# Allegro board RK_EVB7_RK3588_LP4XD200P232SD8_V11_20230111YWQ.brd
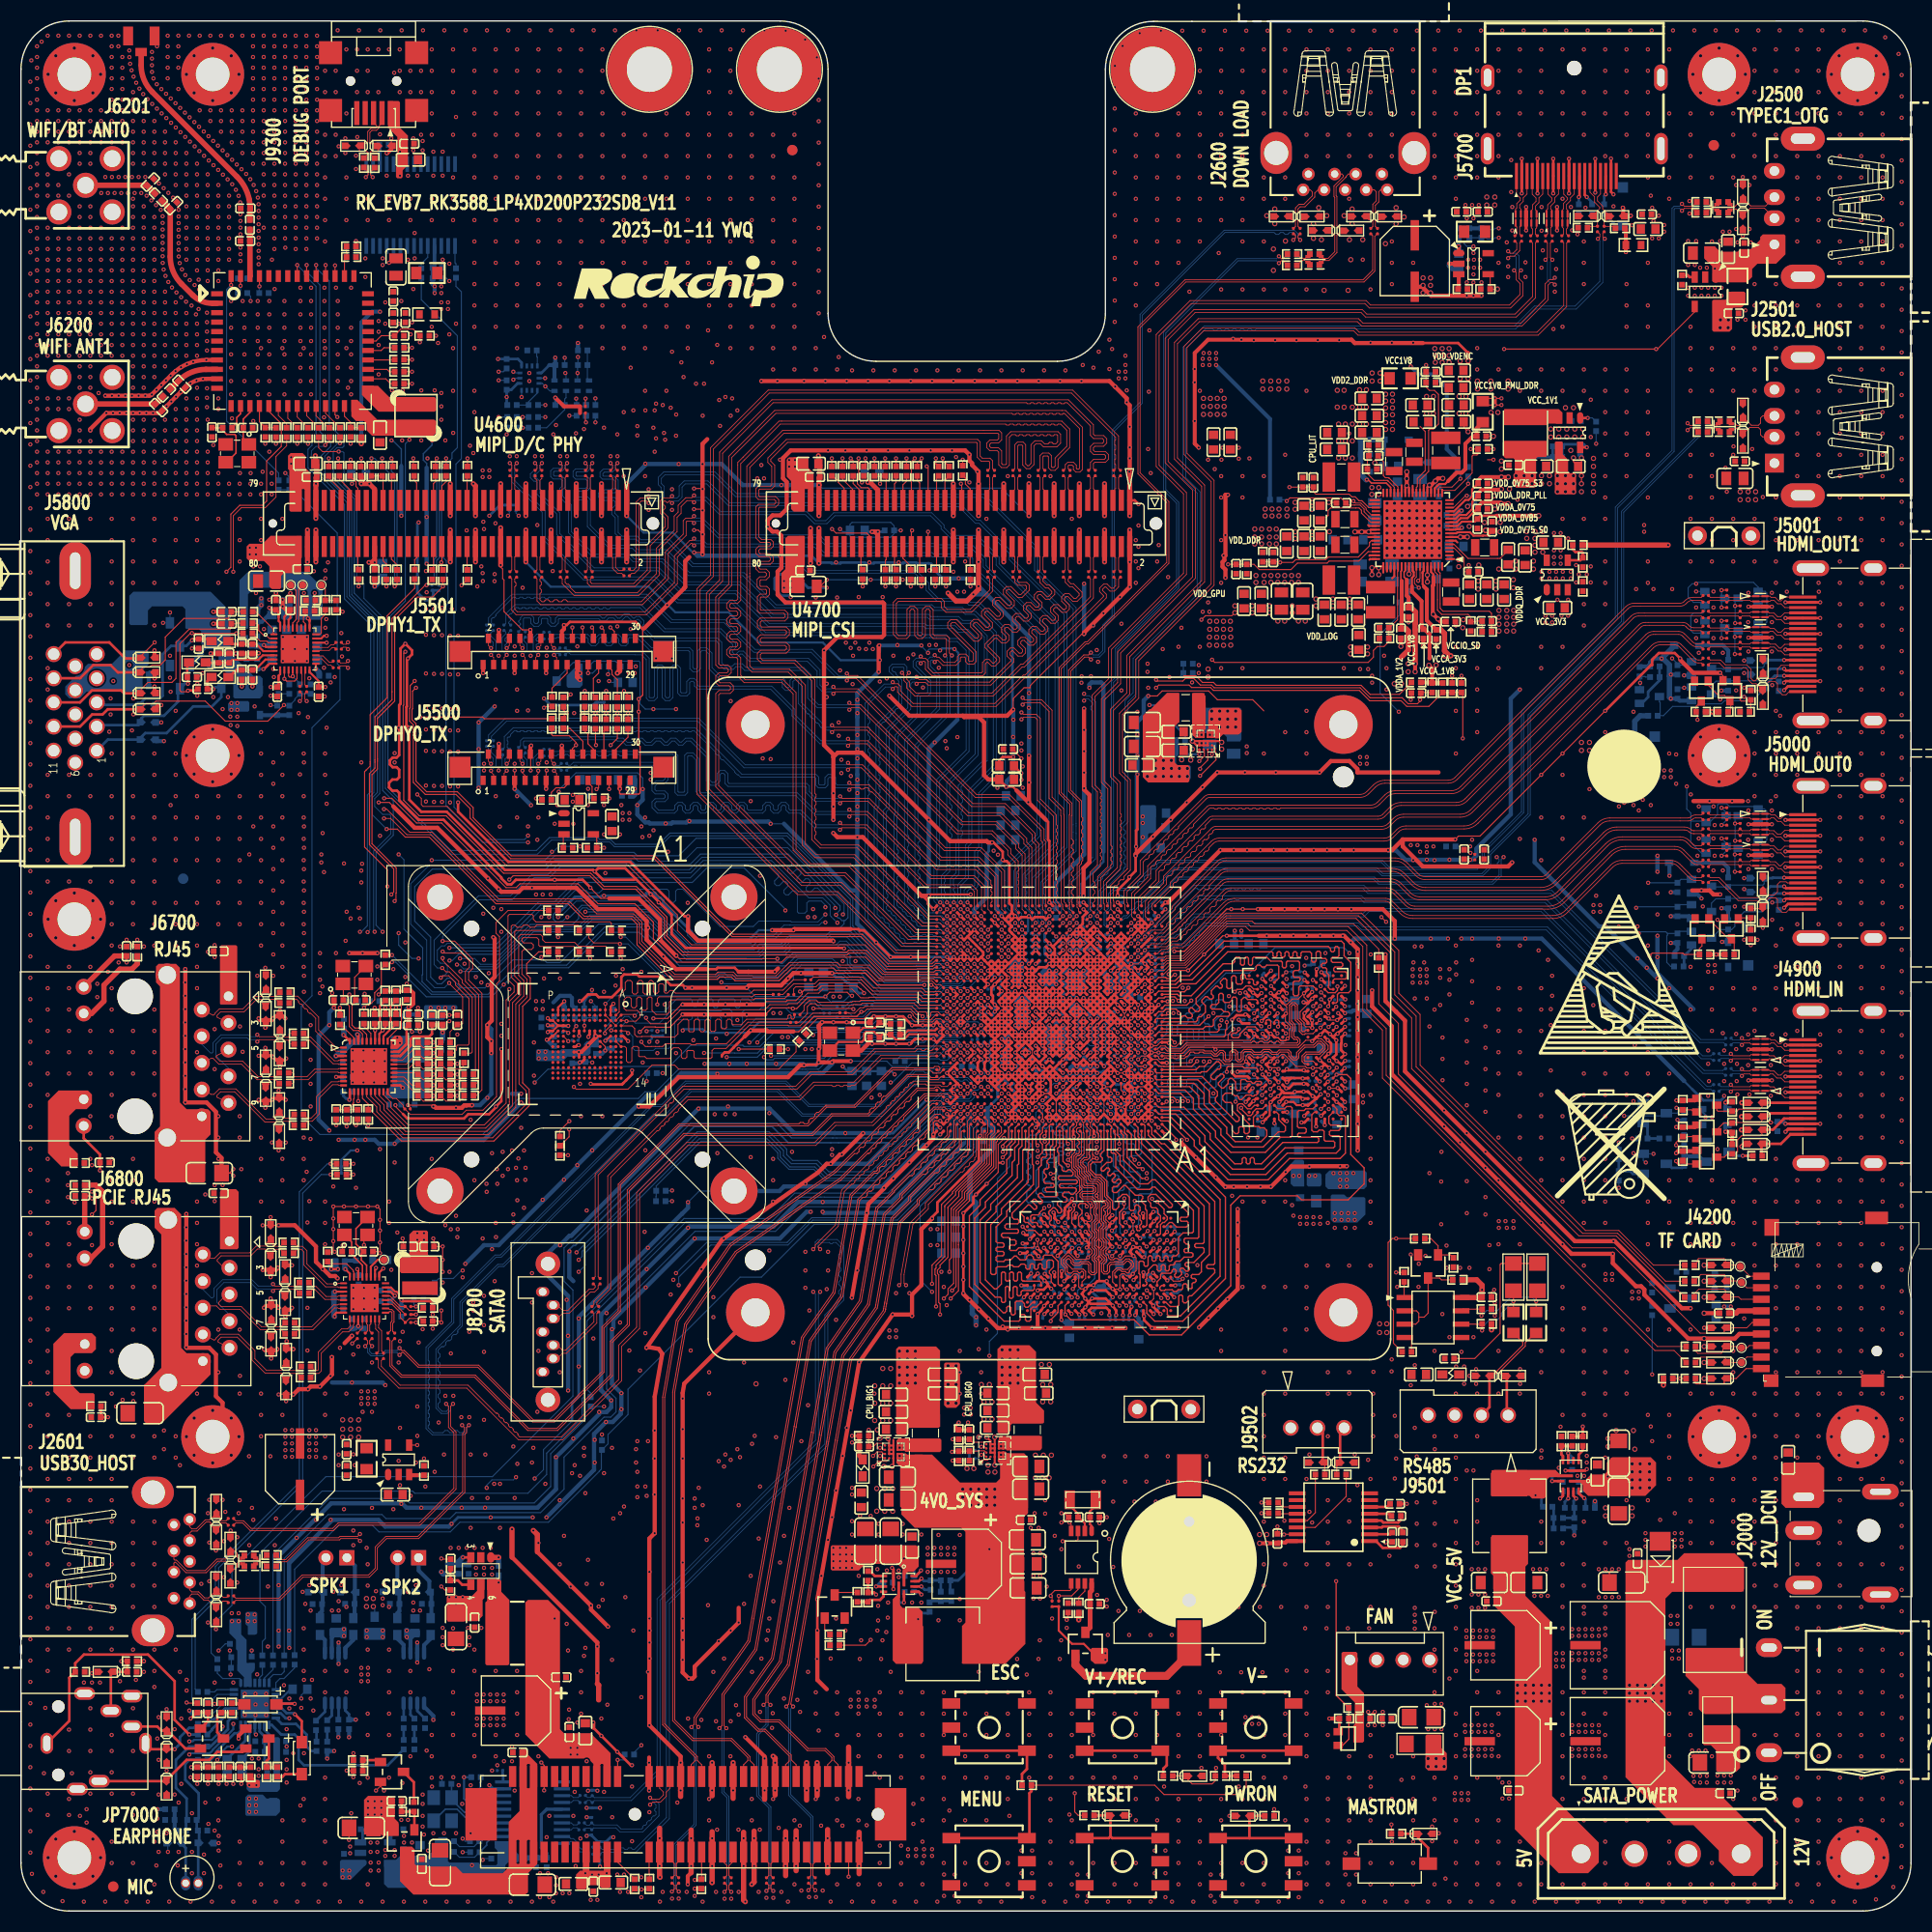
[diagram p0: board, top side]
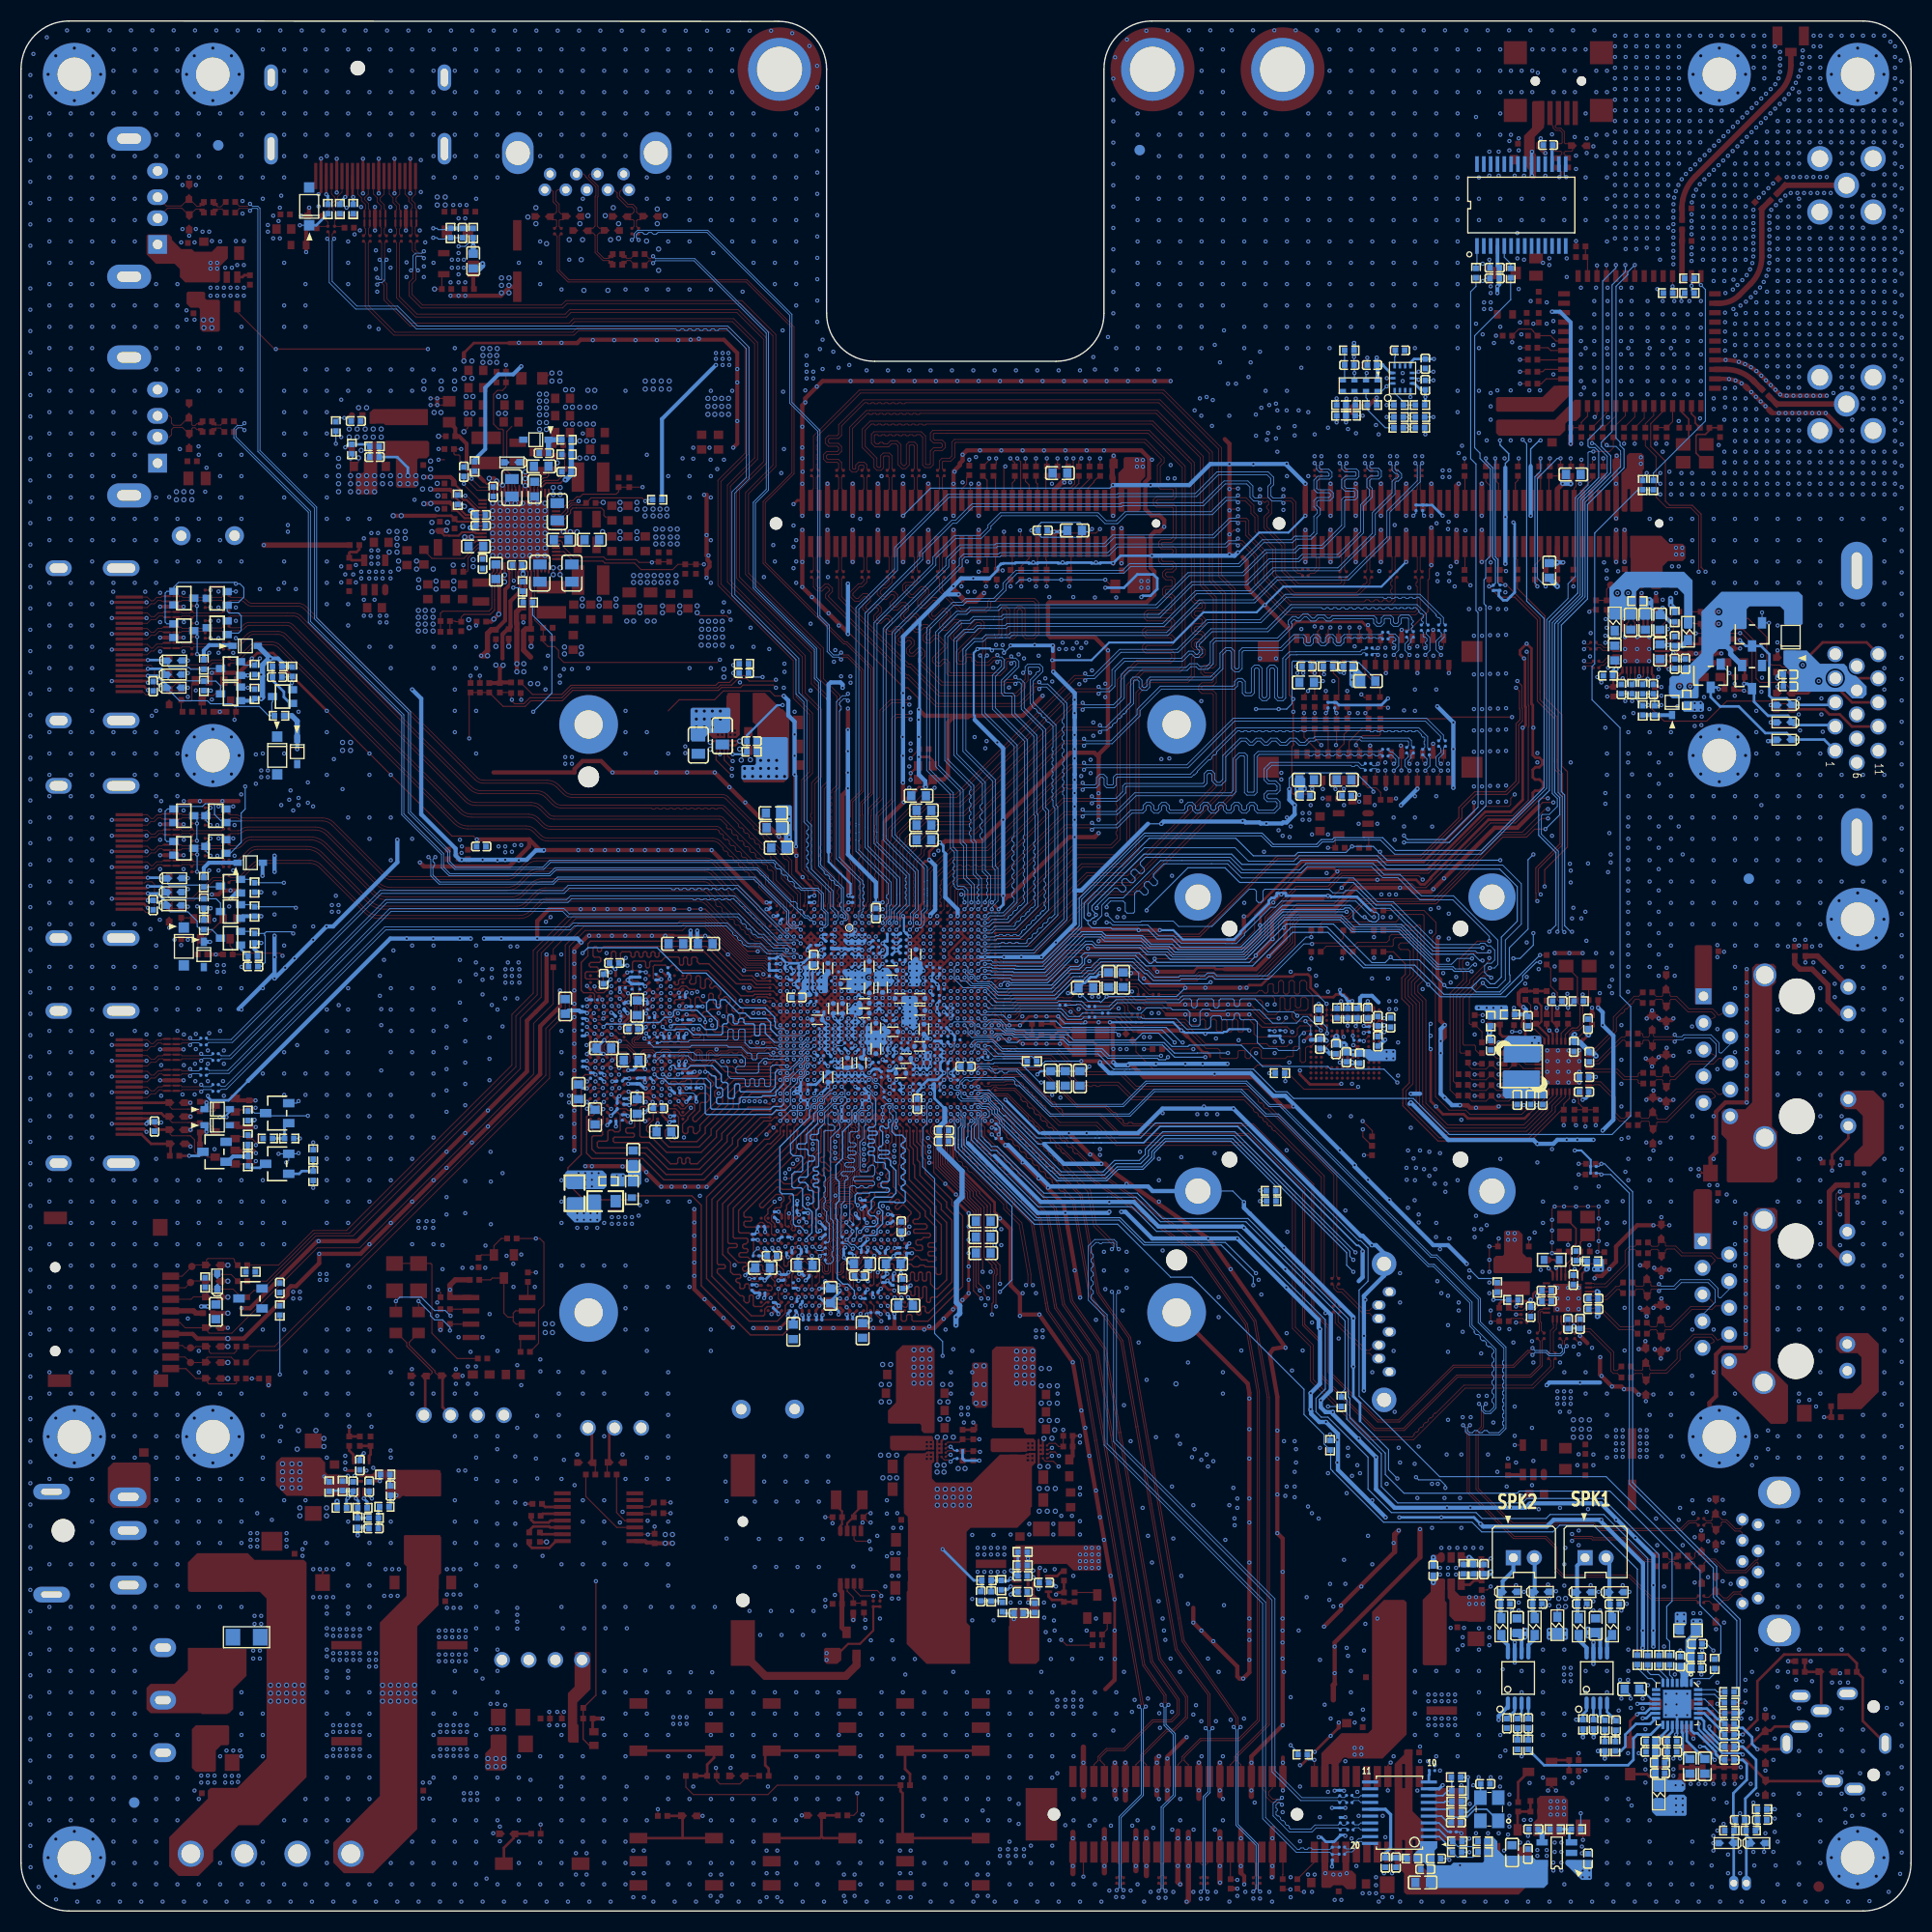
[diagram p1: board, bottom side, seen from below]

Outline 180 x 180 mm; copper layers: TOP, L2-GND1, L3-POWER1, L4-GND2, L5-POWER2, L6-S2, L7-GND3, BOTTOM. Coordinates in mm from the lower left corner of the outline.
Outline path: 0,175.43 arc(1.34,178.66) 4.57,180 72.29,180 arc(75.52,178.66) 76.86,175.43 76.86,152.16 arc(78.2,148.93) 81.43,147.59 98.7,147.59 arc(101.94,148.93) 103.28,152.16 103.28,175.39 arc(104.62,178.63) 107.85,179.96 111.51,179.96 175.43,180 arc(178.66,178.66) 180,175.43 180,4.57 arc(178.66,1.34) 175.43,0 4.57,0 arc(1.34,1.34) 0,4.57 0,175.43

## Design rules (mm)
net group CLK0: nets N20227289 N20227291
net group DDR_CH0_CA_A: nets DDR_CH0_LP4/4X_CKE0/LP5_CS0_A DDR_CH0_LP4/4X_CKE1/LP5_CS1_A
net group DDR_CH0_CA_B: nets DDR_CH0_LP4/4X_CKE0/LP5_CS0_B DDR_CH0_LP4/4X_CKE1/LP5_CS1_B
net group DDR_CH1_LP4/4X_CKE0/LP5_CS0_C: nets DDR_CH1_LP4/4X_CKE0/LP5_CS0_C DDR_CH1_LP4/4X_CKE0_C
net group DDR_CH1_LP4/4X_CKE0/LP5_CS0_D: nets DDR_CH1_LP4/4X_CKE0/LP5_CS0_D DDR_CH1_LP4/4X_CKE0_D
net group DDR_CH1_LP4/4X_CKE1/LP5_CS1_C: nets DDR_CH1_LP4/4X_CKE1/LP5_CS1_C DDR_CH1_LP4/4X_CKE1_C
net group DDR_CH1_LP4/4X_CKE1/LP5_CS1_D: nets DDR_CH1_LP4/4X_CKE1/LP5_CS1_D DDR_CH1_LP4/4X_CKE1_D
net group DP0_AUX: nets DP0_AUXN DP0_AUXP
net group DP0_TX2: nets DP0_TX2N DP0_TX2P
net group DP0_TX3: nets DP0_TX3N DP0_TX3P
net group DP1_AUXN: nets DP1_AUXN DP_TX_AUXN
net group DP1_AUXP: nets DP1_AUXP DP_TX_AUXP
net group DP1_TX0N: nets DP1_TX0N DP1_TX3N_PORT
net group DP1_TX0N_PORT: nets DP1_TX0N_PORT DP1_TX3N
net group DP1_TX0P: nets DP1_TX0P DP1_TX3P_PORT
net group DP1_TX0P_PORT: nets DP1_TX0P_PORT DP1_TX3P
net group DP1_TX1N: nets DP1_TX1N DP1_TX2N_PORT
net group DP1_TX1N_PORT: nets DP1_TX1N_PORT DP1_TX2N
net group DP1_TX1P: nets DP1_TX1P DP1_TX2P_PORT
net group DP1_TX1P_PORT: nets DP1_TX1P_PORT DP1_TX2P
net group DP3: nets DEBUG_DM DEBUG_DP
net group DP21: nets U_DM U_DP
net group DP24: nets PCIE30_PORT0_REFCLKN_IN PCIE30_PORT0_REFCLKP_IN
net group DP_DP_AUX: nets DP_AUXN DP_AUXP
net group DP_RX0: nets DP_RX0N DP_RX0P
net group DP_RX1: nets DP_RX1N DP_RX1P
net group DPHY0_RX_CLKN: nets DPHY0_RX_CLKN MIPI_DPHY0_RX_CLKN
net group DPHY0_RX_CLKP: nets DPHY0_RX_CLKP MIPI_DPHY0_RX_CLKP
net group DPHY0_RX_D0N: nets DPHY0_RX_D0N MIPI_DPHY0_RX_D0N
net group DPHY0_RX_D0P: nets DPHY0_RX_D0P MIPI_DPHY0_RX_D0P
net group DPHY0_RX_D1N: nets DPHY0_RX_D1N MIPI_DPHY0_RX_D1N
net group DPHY0_RX_D1P: nets DPHY0_RX_D1P MIPI_DPHY0_RX_D1P
net group DPHY0_RX_D2N: nets DPHY0_RX_D2N MIPI_DPHY0_RX_D2N
net group DPHY0_RX_D2P: nets DPHY0_RX_D2P MIPI_DPHY0_RX_D2P
net group DPHY0_RX_D3N: nets DPHY0_RX_D3N MIPI_DPHY0_RX_D3N
net group DPHY0_RX_D3P: nets DPHY0_RX_D3P MIPI_DPHY0_RX_D3P
net group DPHY0_TX_CLKN: nets DPHY0_TX_CLKN MIPI_DPHY0_TX_CLKN
net group DPHY0_TX_CLKP: nets DPHY0_TX_CLKP MIPI_DPHY0_TX_CLKP
net group DPHY0_TX_D0N: nets DPHY0_TX_D0N MIPI_DPHY0_TX_D0N
net group DPHY0_TX_D0P: nets DPHY0_TX_D0P MIPI_DPHY0_TX_D0P
net group DPHY0_TX_D1N: nets DPHY0_TX_D1N MIPI_DPHY0_TX_D1N
net group DPHY0_TX_D1P: nets DPHY0_TX_D1P MIPI_DPHY0_TX_D1P
net group DPHY0_TX_D2N: nets DPHY0_TX_D2N MIPI_DPHY0_TX_D2N
net group DPHY0_TX_D2P: nets DPHY0_TX_D2P MIPI_DPHY0_TX_D2P
net group DPHY0_TX_D3N: nets DPHY0_TX_D3N MIPI_DPHY0_TX_D3N
net group DPHY0_TX_D3P: nets DPHY0_TX_D3P MIPI_DPHY0_TX_D3P
net group DPHY1_RX_CLKN: nets DPHY1_RX_CLKN MIPI_DPHY1_RX_CLKN
net group DPHY1_RX_CLKP: nets DPHY1_RX_CLKP MIPI_DPHY1_RX_CLKP
net group DPHY1_RX_D0N: nets DPHY1_RX_D0N MIPI_DPHY1_RX_D0N
net group DPHY1_RX_D0P: nets DPHY1_RX_D0P MIPI_DPHY1_RX_D0P
net group DPHY1_RX_D1N: nets DPHY1_RX_D1N MIPI_DPHY1_RX_D1N
net group DPHY1_RX_D1P: nets DPHY1_RX_D1P MIPI_DPHY1_RX_D1P
net group DPHY1_RX_D2N: nets DPHY1_RX_D2N MIPI_DPHY1_RX_D2N
net group DPHY1_RX_D2P: nets DPHY1_RX_D2P MIPI_DPHY1_RX_D2P
net group DPHY1_RX_D3N: nets DPHY1_RX_D3N MIPI_DPHY1_RX_D3N
net group DPHY1_RX_D3P: nets DPHY1_RX_D3P MIPI_DPHY1_RX_D3P
net group DPHY1_TX_CLKN: nets DPHY1_TX_CLKN MIPI_DPHY1_TX_CLKN
net group DPHY1_TX_CLKP: nets DPHY1_TX_CLKP MIPI_DPHY1_TX_CLKP
net group DPHY1_TX_D0N: nets DPHY1_TX_D0N MIPI_DPHY1_TX_D0N
net group DPHY1_TX_D0P: nets DPHY1_TX_D0P MIPI_DPHY1_TX_D0P
net group DPHY1_TX_D1N: nets DPHY1_TX_D1N MIPI_DPHY1_TX_D1N
net group DPHY1_TX_D1P: nets DPHY1_TX_D1P MIPI_DPHY1_TX_D1P
net group DPHY1_TX_D2N: nets DPHY1_TX_D2N MIPI_DPHY1_TX_D2N
net group DPHY1_TX_D2P: nets DPHY1_TX_D2P MIPI_DPHY1_TX_D2P
net group DPHY1_TX_D3N: nets DPHY1_TX_D3N MIPI_DPHY1_TX_D3N
net group DPHY1_TX_D3P: nets DPHY1_TX_D3P MIPI_DPHY1_TX_D3P
net group EMMC_CLKOUT: nets EMMC_CLKOUT N20178852
net group EMMC_CMD: nets EMMC_CMD EMMC_CMD/FSPI_CLK
net group EMMC_D0: nets EMMC_D0 EMMC_D0/FSPI_D0
net group EMMC_D1: nets EMMC_D1 EMMC_D1/FSPI_D1
net group EMMC_D2: nets EMMC_D2 EMMC_D2/FSPI_D2
net group EMMC_D3: nets EMMC_D3 EMMC_D3/FSPI_D3
net group EMMC_D4: nets EMMC_D4 N20178858
net group EMMC_D5: nets EMMC_D5 N20178860
net group EMMC_D6: nets EMMC_D6 EMMC_D6/FSPI_CS0
net group EMMC_D7: nets EMMC_D7 N20178864
net group EMMC_DATA_STROBE: nets EMMC_DATA_STROBE N24452184
net group EMMC_RSTN: nets EMMC_RSTN N20178868
net group GMAC1_MCLKINOUT: nets GMAC1_MCLKINOUT MAC1_MCLKINOUT
net group GMAC1_MDIO: nets GMAC1_MDIO MAC1_MDIO
net group GMAC1_RXCLK: nets GMAC1_RXCLK PHY0_RXCLK/PHYAD1
net group GMAC1_RXD0: nets GMAC1_RXD0 PHY0_RXD0/RXDLY
net group GMAC1_RXD1: nets GMAC1_RXD1 PHY0_RXD1/TXDLY
net group GMAC1_RXD2: nets GMAC1_RXD2 PHY0_RXD2/PLLOFF
net group GMAC1_RXD3: nets GMAC1_RXD3 PHY0_RXD3/PHYAD0
net group GMAC1_RXDV_CRS: nets GMAC1_RXDV_CRS PHY0_RXDV/PHYAD2
net group GMAC1_TXCLK: nets GMAC1_TXCLK MAC1_TXCLK
net group GMAC1_TXD0: nets GMAC1_TXD0 MAC1_TXD0
net group GMAC1_TXD1: nets GMAC1_TXD1 MAC1_TXD1
net group GMAC1_TXD2: nets GMAC1_TXD2 MAC1_TXD2
net group GMAC1_TXD3: nets GMAC1_TXD3 MAC1_TXD3
net group GMAC1_TXEN: nets GMAC1_TXEN MAC1_TXEN
net group HDMI0_EARC+: nets HDMI0_EARC+ HDMI0_TX_SBDP/EDP0_TX_AUXP
net group HDMI0_EARC-: nets HDMI0_EARC- HDMI0_TX_SBDN/EDP0_TX_AUXN
net group HDMI0_TX0N_PORT: nets HDMI0_TX0N_PORT HDMI0_TX0N_PORT/EDP0_TX_D0N
net group HDMI0_TX0P_PORT: nets HDMI0_TX0P_PORT HDMI0_TX0P_PORT/EDP0_TX_D0P
net group HDMI0_TX1N_PORT: nets HDMI0_TX1N_PORT HDMI0_TX1N_PORT/EDP0_TX_D1N
net group HDMI0_TX1P_PORT: nets HDMI0_TX1P_PORT HDMI0_TX1P_PORT/EDP0_TX_D1P
net group HDMI0_TX2N_PORT: nets HDMI0_TX2N_PORT HDMI0_TX2N_PORT/EDP0_TX_D2N
net group HDMI0_TX2P_PORT: nets HDMI0_TX2P_PORT HDMI0_TX2P_PORT/EDP0_TX_D2P
net group HDMI0_TX3N_PORT: nets HDMI0_TX3N_PORT HDMI0_TX3N_PORT/EDP0_TX_D3N
net group HDMI0_TX3P_PORT: nets HDMI0_TX3P_PORT HDMI0_TX3P_PORT/EDP0_TX_D3P
net group HDMI1_EARC+: nets HDMI1_EARC+ HDMI1_TX_SBDP/EDP1_TX_AUXP
net group HDMI1_EARC-: nets HDMI1_EARC- HDMI1_TX_SBDN/EDP1_TX_AUXN
net group HDMI1_TX0N_PORT: nets HDMI1_TX0N_PORT HDMI1_TX0N_PORT/EDP1_TX_D0N
net group HDMI1_TX0P_PORT: nets HDMI1_TX0P_PORT HDMI1_TX0P_PORT/EDP1_TX_D0P
net group HDMI1_TX1N_PORT: nets HDMI1_TX1N_PORT HDMI1_TX1N_PORT/EDP1_TX_D1N
net group HDMI1_TX1P_PORT: nets HDMI1_TX1P_PORT HDMI1_TX1P_PORT/EDP1_TX_D1P
net group HDMI1_TX2N_PORT: nets HDMI1_TX2N_PORT HDMI1_TX2N_PORT/EDP1_TX_D2N
net group HDMI1_TX2P_PORT: nets HDMI1_TX2P_PORT HDMI1_TX2P_PORT/EDP1_TX_D2P
net group HDMI1_TX3N_PORT: nets HDMI1_TX3N_PORT HDMI1_TX3N_PORT/EDP1_TX_D3N
net group HDMI1_TX3P_PORT: nets HDMI1_TX3P_PORT HDMI1_TX3P_PORT/EDP1_TX_D3P
net group HDMI_RX_CLKN: nets HDMI_RX_CLKN HDMI_RX_CLKN_PORT
net group HDMI_RX_CLKP: nets HDMI_RX_CLKP HDMI_RX_CLKP_PORT
net group HDMI_RX_D0N: nets HDMI_RX_D0N HDMI_RX_D0N_PORT
net group HDMI_RX_D0P: nets HDMI_RX_D0P HDMI_RX_D0P_PORT
net group HDMI_RX_D1N: nets HDMI_RX_D1N HDMI_RX_D1N_PORT
net group HDMI_RX_D1P: nets HDMI_RX_D1P HDMI_RX_D1P_PORT
net group HDMI_RX_D2N: nets HDMI_RX_D2N HDMI_RX_D2N_PORT
net group HDMI_RX_D2P: nets HDMI_RX_D2P HDMI_RX_D2P_PORT
net group MIPI_CSI0_CLK0N: nets MIPI_CSI0_CLK0N MIPI_CSI0_RX_CLK0N
net group MIPI_CSI0_CLK0P: nets MIPI_CSI0_CLK0P MIPI_CSI0_RX_CLK0P
net group MIPI_CSI0_CLK1N: nets MIPI_CSI0_CLK1N MIPI_CSI0_RX_CLK1N
net group MIPI_CSI0_CLK1P: nets MIPI_CSI0_CLK1P MIPI_CSI0_RX_CLK1P
net group MIPI_CSI0_D0N: nets MIPI_CSI0_D0N MIPI_CSI0_RX_D0N
net group MIPI_CSI0_D0P: nets MIPI_CSI0_D0P MIPI_CSI0_RX_D0P
net group MIPI_CSI0_D1N: nets MIPI_CSI0_D1N MIPI_CSI0_RX_D1N
net group MIPI_CSI0_D1P: nets MIPI_CSI0_D1P MIPI_CSI0_RX_D1P
net group MIPI_CSI0_D2N: nets MIPI_CSI0_D2N MIPI_CSI0_RX_D2N
net group MIPI_CSI0_D2P: nets MIPI_CSI0_D2P MIPI_CSI0_RX_D2P
net group MIPI_CSI0_D3N: nets MIPI_CSI0_D3N MIPI_CSI0_RX_D3N
net group MIPI_CSI0_D3P: nets MIPI_CSI0_D3P MIPI_CSI0_RX_D3P
net group MIPI_CSI1_CLK0N: nets MIPI_CSI1_CLK0N MIPI_CSI1_RX_CLK0N
net group MIPI_CSI1_CLK0P: nets MIPI_CSI1_CLK0P MIPI_CSI1_RX_CLK0P
net group MIPI_CSI1_CLK1N: nets MIPI_CSI1_CLK1N MIPI_CSI1_RX_CLK1N
net group MIPI_CSI1_CLK1P: nets MIPI_CSI1_CLK1P MIPI_CSI1_RX_CLK1P
net group MIPI_CSI1_D0N: nets MIPI_CSI1_D0N MIPI_CSI1_RX_D0N
net group MIPI_CSI1_D0P: nets MIPI_CSI1_D0P MIPI_CSI1_RX_D0P
net group MIPI_CSI1_D1N: nets MIPI_CSI1_D1N MIPI_CSI1_RX_D1N
net group MIPI_CSI1_D1P: nets MIPI_CSI1_D1P MIPI_CSI1_RX_D1P
net group MIPI_CSI1_D2N: nets MIPI_CSI1_D2N MIPI_CSI1_RX_D2N
net group MIPI_CSI1_D2P: nets MIPI_CSI1_D2P MIPI_CSI1_RX_D2P
net group MIPI_CSI1_D3N: nets MIPI_CSI1_D3N MIPI_CSI1_RX_D3N
net group MIPI_CSI1_D3P: nets MIPI_CSI1_D3P MIPI_CSI1_RX_D3P
net group PCIE20_1_REFCLKN: nets PCIE20_1_REFCLKN REFCLKN_100M_RJ45
net group PCIE20_1_REFCLKP: nets PCIE20_1_REFCLKP REFCLKP_100M_RJ45
net group PCIE20_1_RXN/SATA30_1_RXN: nets PCIE20_1_RXN/SATA30_1_RXN PCIE_2_RXN
net group PCIE20_1_RXP/SATA30_1_RXP: nets PCIE20_1_RXP/SATA30_1_RXP PCIE_2_RXP
net group PCIE20_1_TXN/SATA30_1_TXN: nets PCIE20_1_TXN/SATA30_1_TXN PCIE20_2_TXN
net group PCIE20_1_TXP/SATA30_1_TXP: nets PCIE20_1_TXP/SATA30_1_TXP PCIE20_2_TXP
net group PCIE30_PORT0_RX0: nets PCIE30_PORT0_RX0N PCIE30_PORT0_RX0P
net group PCIE30_PORT0_RX1: nets PCIE30_PORT0_RX1N PCIE30_PORT0_RX1P
net group PCIE30_PORT0_TX0N: nets PCIE30_PORT0_TX0N PETN0
net group PCIE30_PORT0_TX0P: nets PCIE30_PORT0_TX0P PETP0
net group PCIE30_PORT0_TX1N: nets PCIE30_PORT0_TX1N PETN1
net group PCIE30_PORT0_TX1P: nets PCIE30_PORT0_TX1P PETP1
net group PCIE30_PORT1_REFCLKN_IN: nets N18262695 PCIE30_PORT1_REFCLKN_IN
net group PCIE30_PORT1_REFCLKP_IN: nets N18262694 PCIE30_PORT1_REFCLKP_IN
net group PCIE30_PORT1_RX2: nets PCIE30_PORT1_RX2N PCIE30_PORT1_RX2P
net group PCIE30_PORT1_RX3: nets PCIE30_PORT1_RX3N PCIE30_PORT1_RX3P
net group PCIE30_PORT1_TX2N: nets N17854639 PCIE30_PORT1_TX2N
net group PCIE30_PORT1_TX2P: nets N17854631 PCIE30_PORT1_TX2P
net group PCIE30_PORT1_TX3N: nets N17854696 PCIE30_PORT1_TX3N
net group PCIE30_PORT1_TX3P: nets N17854686 PCIE30_PORT1_TX3P
net group PCIE30_REFCLKN_SLOT: nets N20227385 PCIE30_REFCLKN_SLOT
net group PCIE30_REFCLKP_SLOT: nets N20227382 PCIE30_REFCLKP_SLOT
net group PCIE_PWREN_H: nets N20527992 PCIE_PWREN_H
net group PHY0_MDI0+: nets PHY0_MDI0+ RJ45_1_MDI0+
net group PHY0_MDI0-: nets PHY0_MDI0- RJ45_1_MDI0-
net group PHY0_MDI1+: nets PHY0_MDI1+ RJ45_1_MDI1+
net group PHY0_MDI1-: nets PHY0_MDI1- RJ45_1_MDI1-
net group PHY0_MDI2+: nets PHY0_MDI2+ RJ45_1_MDI2+
net group PHY0_MDI2-: nets PHY0_MDI2- RJ45_1_MDI2-
net group PHY0_MDI3+: nets PHY0_MDI3+ RJ45_1_MDI3+
net group PHY0_MDI3-: nets PHY0_MDI3- RJ45_1_MDI3-
net group PHY1_MDI0+: nets PHY1_MDI0+ RJ45_2_MDI0+
net group PHY1_MDI0-: nets PHY1_MDI0- RJ45_2_MDI0-
net group PHY1_MDI1+: nets PHY1_MDI1+ RJ45_2_MDI1+
net group PHY1_MDI1-: nets PHY1_MDI1- RJ45_2_MDI1-
net group PHY1_MDI2+: nets PHY1_MDI2+ RJ45_2_MDI2+
net group PHY1_MDI2-: nets PHY1_MDI2- RJ45_2_MDI2-
net group PHY1_MDI3+: nets PHY1_MDI3+ RJ45_2_MDI3+
net group PHY1_MDI3-: nets PHY1_MDI3- RJ45_2_MDI3-
net group PI6C_OE: nets PI6C_OE VCC3V3_PI6C_05
net group SATA0_RXN: nets SATA0_RXN SATA30_0_RXN
net group SATA0_RXP: nets SATA0_RXP SATA30_0_RXP
net group SATA0_TXN: nets SATA0_TXN SATA30_0_TXN
net group SATA0_TXP: nets SATA0_TXP SATA30_0_TXP
net group SDMMC0_CLK: nets SD_CLK SDMMC0_CLK
net group SDMMC0_CMD: nets SD_CMD SDMMC0_CMD
net group SDMMC0_D0: nets SD_D0 SDMMC0_D0
net group SDMMC0_D1: nets SD_D1 SDMMC0_D1
net group SDMMC0_D2: nets SD_D2 SDMMC0_D2
net group SDMMC0_D3: nets SD_D3 SDMMC0_D3
net group TYPEC0_SSRX1N: nets TYPEC0_SSRX1N USB30_HOST1_SSRXN
net group TYPEC0_SSRX1P: nets TYPEC0_SSRX1P USB30_HOST1_SSRXP
net group TYPEC0_SSTX1N: nets TYPEC0_SSTX1N USB30_HOST1_SSTXN
net group TYPEC0_SSTX1P: nets TYPEC0_SSTX1P USB30_HOST1_SSTXP
net group USB30_2_SSRXN: nets USB30_2_SSRXN USB30_HOST2_SSRXN
net group USB30_2_SSRXP: nets USB30_2_SSRXP USB30_HOST2_SSRXP
net group USB30_2_SSTXN: nets USB30_2_SSTXN USB30_HOST2_SSTXN
net group USB30_2_SSTXP: nets USB30_2_SSTXP USB30_HOST2_SSTXP
net group 50OHM: nets DDR_CH0_LP4/4X_CKE0_A DDR_CH0_LP4/4X_CKE0_B DDR_CH0_LP4/4X_CKE1_A DDR_CH0_LP4/4X_CKE1_B SDIO_CLK_M0_WIFI SDIO_CMD_M0_WIFI SDIO_D0_M0_WIFI SDIO_D1_M0_WIFI SDIO_D2_M0_WIFI SDIO_D3_M0_WIFI WIFI_CLK WIFI_CMD WIFI_D0 WIFI_D1 WIFI_D2 WIFI_D3
net group DDR: nets DDR_RESET
net group HOST0_DM: nets HOST0_DM N20501889 USB20_HOST0_DM
net group HOST0_DP: nets HOST0_DP N20501891 USB20_HOST0_DP
net group HOST1_DM: nets HOST1_DM N19485182 USB20_HOST1_DM
net group HOST1_DP: nets HOST1_DP N19485176 USB20_HOST1_DP
net group I2C: nets I2C3_SCL_M0_MIPI I2C3_SDA_M0_MIPI I2C7_SCL_M0_CODEC I2C7_SDA_M0_CODEC I2C_ADDR_CE I2C_SCL_TP I2C_SDA_TP I2S0_LRCK_TX I2S0_MCLK I2S0_SCLK_TX I2S0_SDI0 I2S0_SDO0
net group OTG1_DM: nets N20530963 OTG1_DM TYPEC1_OTG_DM
net group OTG1_DP: nets N20530957 OTG1_DP TYPEC1_OTG_DP
net group TYPEC0_OTG_DM: nets N19100594 TYPEC0_OTG_DM USB30_OTG1_DM
net group TYPEC0_OTG_DP: nets N19100602 TYPEC0_OTG_DP USB30_OTG1_DP

## Placement (name value [footprint] x y rotation side)
ANT6200  -  [ANT_JACK]  12.75 177.76 90 top
C240  100nF  [C0402]  162.33 11.22 0 top
C1000  22uF  [C0603]  108.29 103.16 0 bottom
C1001  100nF  [C0201]  100.87 89.63 90 bottom
C1002  100nF  [C0201]  100.22 89.63 90 bottom
C1003  22uF  [C0603]  108.36 104.56 0 bottom
C1004  10uF  [C0402_BGA]  99.21 89.97 90 bottom
C1005  10uF  [C0402_BGA]  99.21 87.9 270 bottom
C1006  1uF  [C0201]  100.22 87.53 270 bottom
C1007  4.7uF  [C0402_BGA]  101.46 88.31 0 bottom
C1010  100nF  [C0201]  96.93 81.12 270 bottom
C1013  1uF  [C0201]  97.37 82.72 180 bottom
C1014  1uF  [C0201]  99.82 82.73 0 bottom
C1015  4.7uF  [C0402_BGA]  96.96 83.73 180 bottom
C1016  10uF  [C0402_BGA]  98.58 84.08 90 bottom
C1017  10uF  [C0402_BGA]  98.58 82.12 270 bottom
C1018  22uF  [C0603]  88.36 64.18 0 bottom
C1019  22uF  [C0603]  88.36 65.7 0 bottom
C1020  1uF  [C0201]  101.88 89.45 0 bottom
C1022  100nF  [C0201]  99.82 83.38 0 bottom
C1023  1uF  [C0201]  97.22 82.07 0 bottom
C1024  100nF  [C0201]  95.02 79.88 270 bottom
C1025  100nF  [C0201]  94.37 79.88 270 bottom
C1027  1uF  [C0201]  93.72 79.88 270 bottom
C1028  1uF  [C0201]  94.12 81.43 0 bottom
C1029  4.7uF  [C0402_BGA]  94.01 83.99 90 bottom
C1030  10uF  [C0402_BGA]  95.73 81.19 0 bottom
C1031  10uF  [C0402_BGA]  94.42 82.34 0 bottom
C1032  22uF  [C0603]  81.94 79.29 270 bottom
C1033  22uF  [C0603]  80.54 79.29 270 bottom
C1034  22uF  [C0603]  93.87 107.76 180 top
C1035  22uF  [C0603]  93.87 109.06 180 top
C1036  10uF  [C0402_BGA]  97.05 89.58 180 bottom
C1037  10uF  [C0402_BGA]  96.2 79.8 180 bottom
C1038  4.7uF  [C0402_BGA]  97.94 87.96 270 bottom
C1039  1uF  [C0201]  98.27 89.63 90 bottom
C1040  100nF  [C0201]  97.43 79.76 270 bottom
C1041  100nF  [C0201]  98.27 86.24 90 bottom
C1042  1uF  [C0201]  96.71 88.58 180 bottom
C1043  10uF  [C0402_BGA]  99.68 86.45 180 bottom
C1045  22uF  [C0603]  114.83 92.12 180 bottom
C1046  22uF  [C0603]  117.63 92.12 0 bottom
C1047  10uF  [C0402_BGA]  99.68 85.51 180 bottom
C1048  1uF  [C0201]  99.97 84.68 180 bottom
C1049  100nF  [C0201]  101.12 84.68 0 bottom
C1050  100nF  [C0201]  101.13 83.38 0 bottom
C1051  1uF  [C0201]  96.16 82.41 90 bottom
C1052  1uF  [C0201]  101.13 84.03 0 bottom
C1054  100nF  [C0201]  96.07 85.98 0 bottom
C1057  4.7uF  [C0402_BGA]  94.39 86.91 180 bottom
C1058  10uF  [C0402_BGA]  96.29 86.91 0 bottom
C1059  10uF  [C0402_BGA]  94.39 85.77 180 bottom
C1060  22uF  [C0603]  78.59 87.92 0 bottom
C1061  22uF  [C0603]  75.03 88.69 90 bottom
C1062  22uF  [C0603]  94.51 106.21 180 bottom
C1063  22uF  [C0603]  94.01 102.02 0 bottom
C1064  22uF  [C0603]  94.01 103.42 0 bottom
C1065  10uF  [C0402_BGA]  94.77 91.1 90 bottom
C1066  1uF  [C0201]  94.01 89.96 180 bottom
C1069  100nF  [C0201]  95.41 89.23 0 bottom
C1070  100nF  [C0201]  95.67 84.28 270 bottom
C1071  1uF  [C0201]  95.02 83.78 270 bottom
C1072  1uF  [C0201]  95.41 88.58 0 bottom
C1073  100nF  [C0201]  94.12 88.58 180 bottom
C1080  22uF  [C0603]  88.36 62.65 0 bottom
C1081  22uF  [C0603]  79.15 79.29 270 bottom
C1082  22uF  [C0603]  76.43 88.69 90 bottom
C1083  100nF  [C0201]  95.53 82.41 90 bottom
C1085  22uF  [C0603]  107.85 101.26 0 bottom
C1086  22uF  [C0603]  94.01 104.82 0 bottom
C1100  100nF  [C0201]  88.16 81.32 180 bottom
C1101  18pF  [C0402]  81.31 84.62 180 top
C1102  18pF  [C0402]  81.31 83.23 180 top
C1103  1uF  [C0201]  98.07 79.67 270 bottom
C1104  100nF  [C0201]  92.69 82.07 0 bottom
C1105  1uF  [C0201]  108.74 89.32 270 bottom
C1106  100nF  [C0201]  96.96 85.08 90 bottom
C1107  100nF  [C0201]  90.83 82.97 180 bottom
C1109  100nF  [C0201]  97.59 85.05 90 bottom
C1110  100nF  [C0201]  92.35 83.1 90 bottom
C1111  1uF  [C0201]  92.99 83.1 90 bottom
C1112  100nF  [C0201]  92.11 84.11 0 bottom
C1113  100nF  [C0201]  91.72 83.03 90 bottom
C1200  10uF  [C0402_BGA]  104.17 84.88 0 bottom
C1201  1uF  [C0201]  102.17 79.22 270 bottom
C1202  1uF  [C0201]  103.72 83.38 0 bottom
C1203  100nF  [C0201]  99.57 79.23 270 bottom
C1204  100nF  [C0201]  100.22 79.22 270 bottom
C1205  100nF  [C0201]  100.87 79.22 270 bottom
C1206  1uF  [C0201]  103.73 80.78 0 bottom